# Altium PCB CRD25DA12N-FMC V2 (09-2024).PcbDoc (part 2 of 6)
Units mil, origin at the board's own origin, x right, y up, seen from the top; angles counter-clockwise.
Board outline 8000 x 8000 mil, 6 copper layers (Top Layer, Layer 2, Layer 3, Layer 4, Layer 5, Bottom Layer), stack 91 mil thick; 602 components, 333 nets, 1670 pads, 639 vias.
Unrouted connection lines stored in the file: 1.
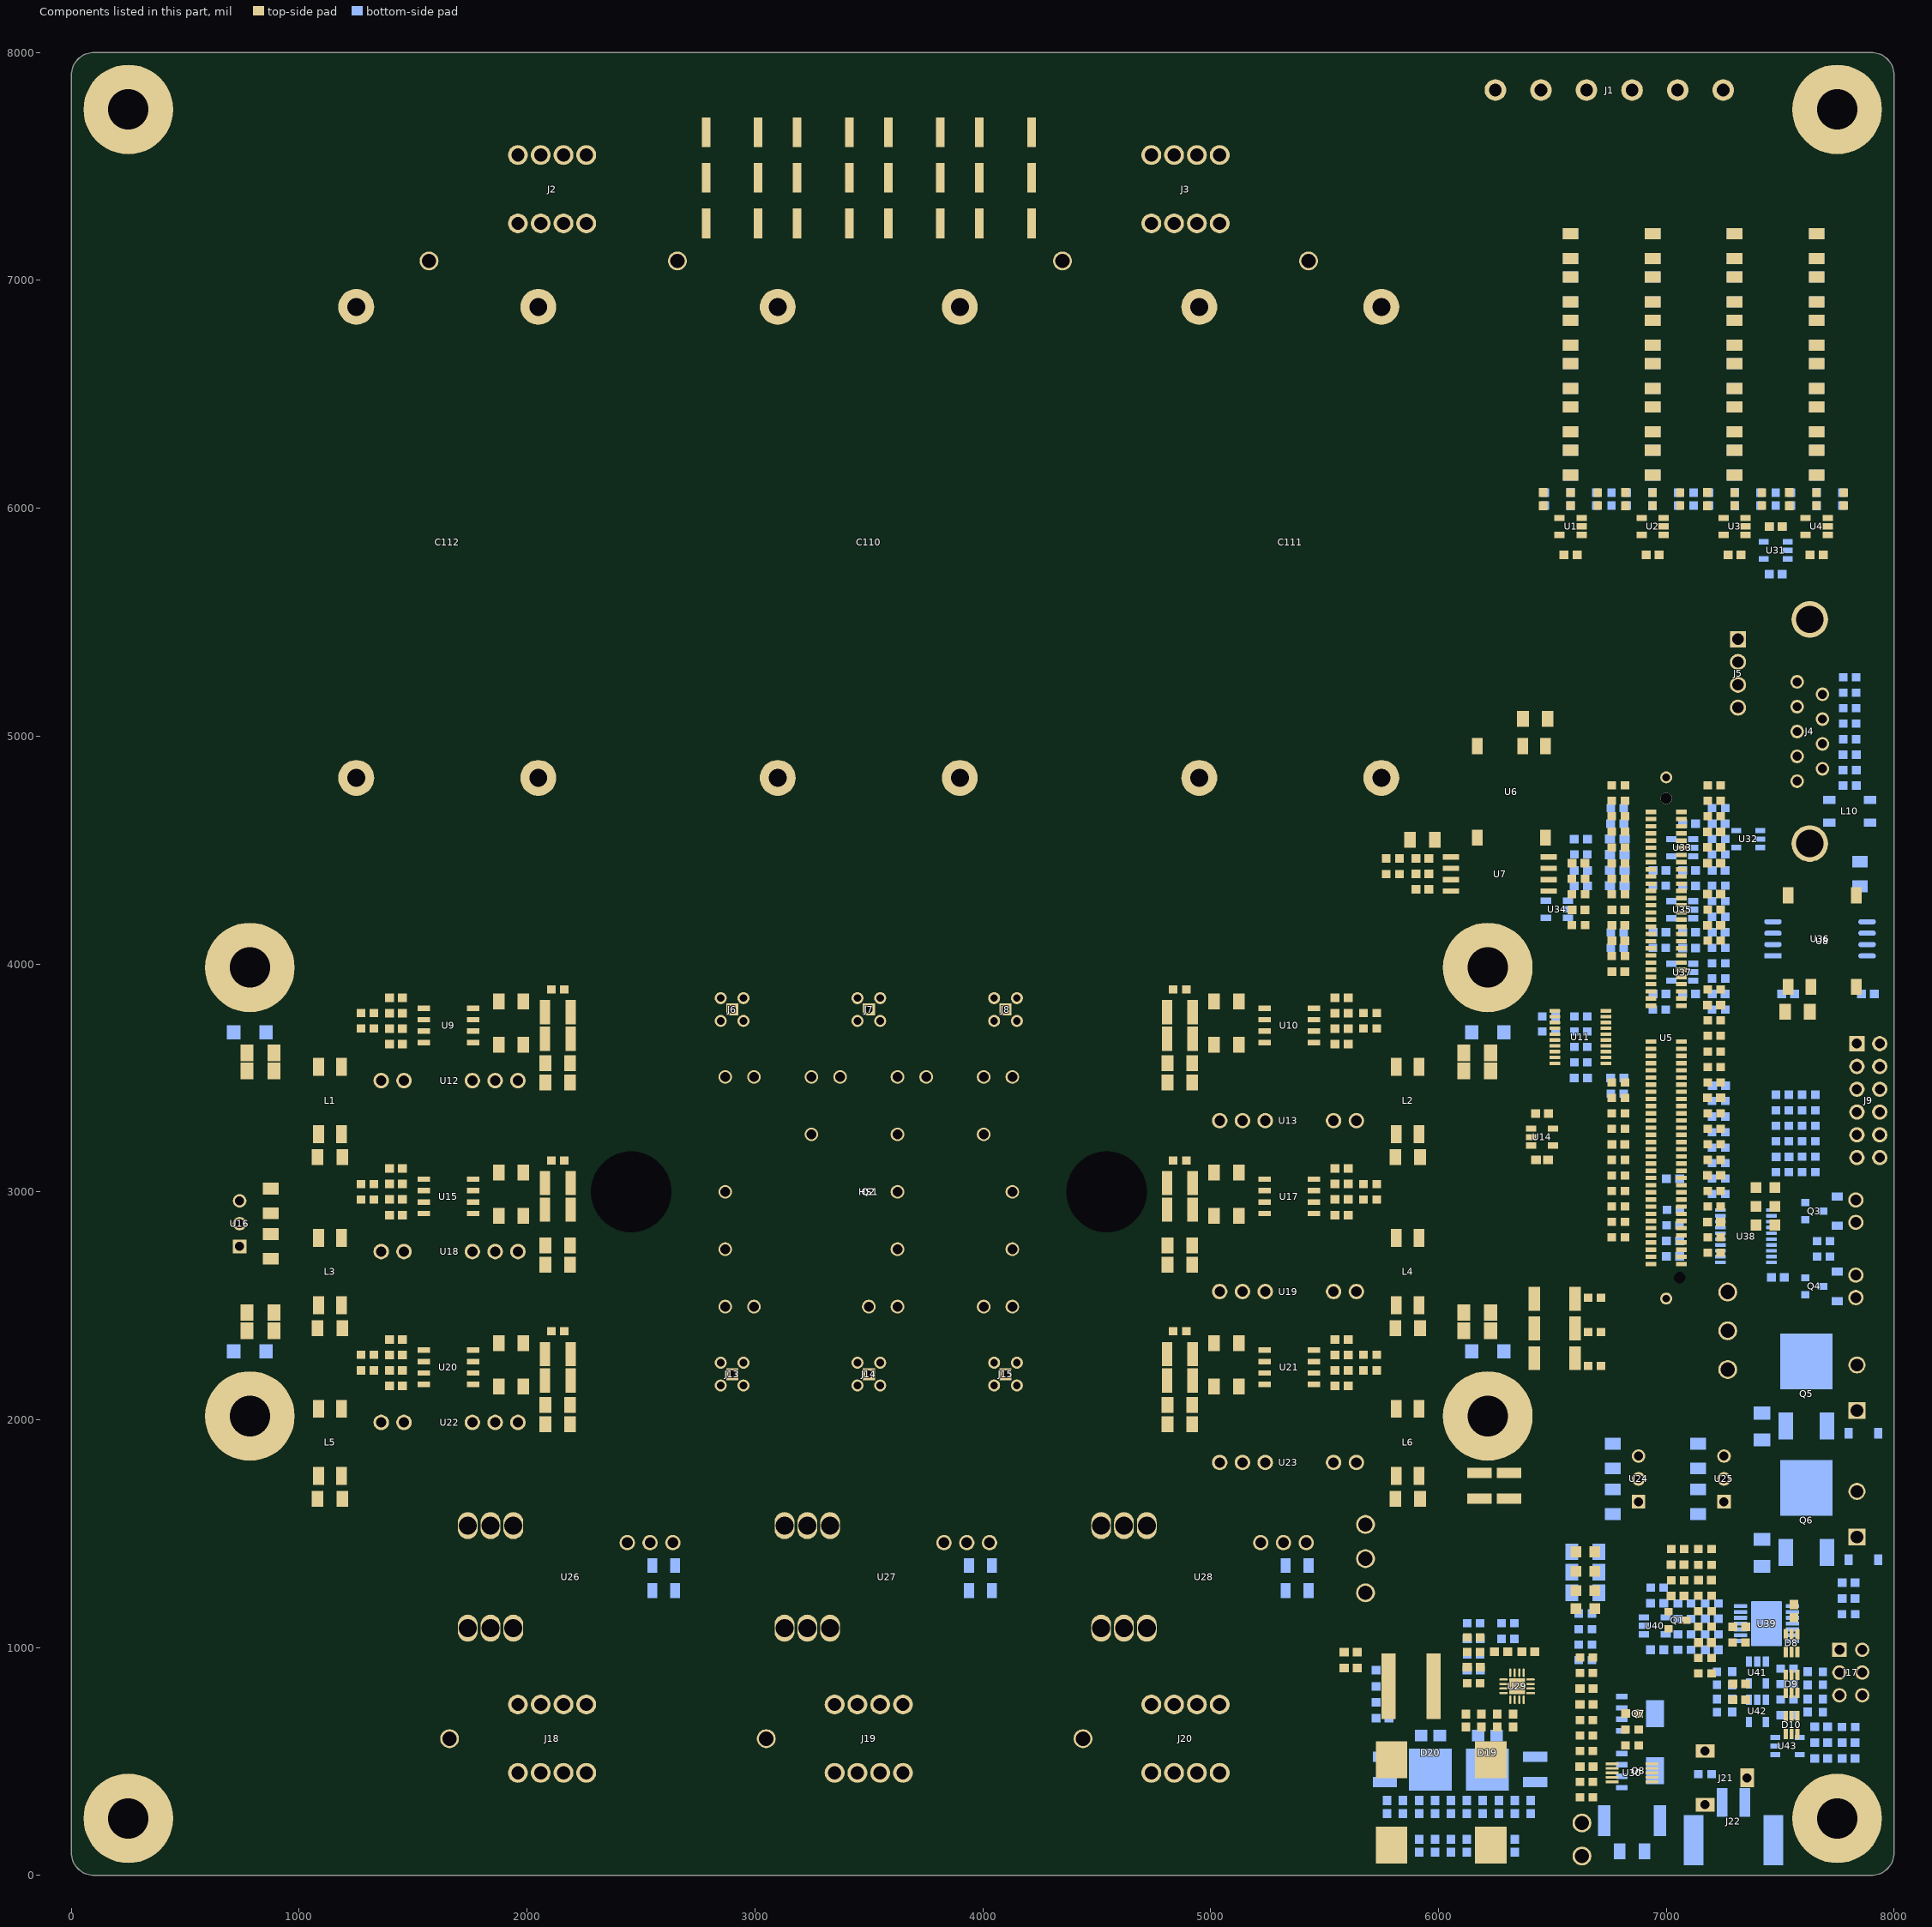
[diagram p6: the components of this part, seen from the top]

## Components (designator, comment, footprint, x,y, rotation, side; value= is the part's Value field where it differs from the comment) (continued)
R196 "RC0603JR-07120RL" FP-MCR03-IPC_B 7805,4986 r0 bottom value=120Ω
R197 "ERJ3EKF1002V" FP-MCR03-IPC_B 7230,4684 r180 bottom value=10kΩ
R198 "ERJ3EKF1002V" FP-MCR03-IPC_B 6785,4684 r0 bottom value=10kΩ
R199 "RT0603DRD071K4L" FP-MCR03-IPC_B 7230,4548 r180 bottom value=1.4kΩ
R200 "RMCF0603FT7K15" FP-MCR03-IPC_B 7230,4480 r180 bottom value=7.15kΩ
R201 "ERA3AEB4021V" FP-MCR03-IPC_B 6625,4480 r0 bottom value=4.02kΩ
R202 "ERA3AEB4021V" FP-MCR03-IPC_B 7230,4343 r0 bottom value=4.02kΩ
R203 "RC0603FR-077K87L" FP-MCR03-IPC_B 6970,4343 r0 bottom value=7.87kΩ
R204 "RT0603DRD071K4L" FP-MCR03-IPC_B 7230,4275 r180 bottom value=1.4kΩ
R205 "RMCF0603FT7K15" FP-MCR03-IPC_B 7230,4207 r180 bottom value=7.15kΩ
R206 "ERJ-3EKF49R9V" FP-MCR03-IPC_B 6785,4139 r0 bottom value=49.9Ω
R207 "ERA3AEB4021V" FP-MCR03-IPC_B 7230,4070 r0 bottom value=4.02kΩ
R208 "RC0603FR-077K87L" FP-MCR03-IPC_B 6970,4070 r0 bottom value=7.87kΩ
R209 "ERJ-3EKF49R9V" FP-MCR03-IPC_B 6785,4070 r0 bottom value=49.9Ω
R210 "RT0603DRD071K4L" FP-MCR03-IPC_B 7230,4003 r180 bottom value=1.4kΩ
R211 "RMCF0603FT7K15" FP-MCR03-IPC_B 7230,3936 r180 bottom value=7.15kΩ
R212 "ERA3AEB4021V" FP-MCR03-IPC_B 7230,3800 r0 bottom value=4.02kΩ
R213 "RC0603FR-077K87L" FP-MCR03-IPC_B 6970,3800 r0 bottom value=7.87kΩ
R214 "RC0603FR-07100KL" FP-MCR03-IPC_B 6625,3770 r180 bottom value=100kΩ
R215 "RC0603FR-07100KL" FP-MCR03-IPC_B 6485,3770 r180 bottom value=100kΩ
R216 "RC0603FR-07100KL" FP-MCR03-IPC_B 6625,3703 r180 bottom value=100kΩ
R217 "RC0603FR-07100KL" FP-MCR03-IPC_B 6485,3703 r180 bottom value=100kΩ
R218 "RC0603FR-07100KL" FP-MCR03-IPC_B 6625,3636 r180 bottom value=100kΩ
R219 "RC0603FR-07100KL" FP-MCR03-IPC_B 6625,3568 r180 bottom value=100kΩ
R220 "ERJ3EKF1002V" FP-MCR03-IPC_B 6785,3430 r180 bottom value=10kΩ
R221 "RC0603FR-13330RL" FP-MCR03-IPC_B 7625,3426 r180 bottom value=330Ω
R222 "RC0603FR-13330RL" FP-MCR03-IPC_B 7510,3426 r180 bottom value=330Ω
R223 "ERJ3EKF1002V" FP-MCR03-IPC_B 7230,3398 r180 bottom value=10kΩ
R224 "RC0603FR-13330RL" FP-MCR03-IPC_B 7625,3358 r180 bottom value=330Ω
R225 "RC0603FR-13330RL" FP-MCR03-IPC_B 7510,3358 r180 bottom value=330Ω
R226 "CRCW06030000Z0EB" FP-MCR03-IPC_B 7230,3330 r180 bottom value=0Ω
R227 "CRCW06030000Z0EB" FP-MCR03-IPC_B 7625,3290 r180 bottom value=0Ω
R228 "ERJ3EKF1002V" FP-MCR03-IPC_B 7510,3290 r0 bottom value=10kΩ
R229 "CRCW06030000Z0EB" FP-MCR03-IPC_B 7230,3262 r180 bottom value=0Ω
R230 "RC0603FR-13330RL" FP-MCR03-IPC_B 7625,3222 r180 bottom value=330Ω
R231 "RC0603FR-13330RL" FP-MCR03-IPC_B 7510,3222 r180 bottom value=330Ω
R232 "CRCW06030000Z0EB" FP-MCR03-IPC_B 7230,3194 r180 bottom value=0Ω
R233 "CRCW06030000Z0EB" FP-MCR03-IPC_B 7625,3154 r180 bottom value=0Ω
R234 "CRCW06030000Z0EB" FP-MCR03-IPC_B 7230,3126 r180 bottom value=0Ω
R235 "ERJ3EKF1002V" FP-MCR03-IPC_B 7625,3086 r0 bottom value=10kΩ
R236 "ERJ3EKF1002V" FP-MCR03-IPC_B 7510,3086 r0 bottom value=10kΩ
R237 "CRCW06030000Z0EB" FP-MCR03-IPC_B 7230,3058 r180 bottom value=0Ω
R238 "CRCW06030000Z0EB" FP-MCR03-IPC_B 7230,2990 r180 bottom value=0Ω
R239 "CRCW060320K0FKTA" FP-MCR03-IPC_B 7031.38,2920 r180 bottom value=20kΩ
R240 "CRCW060320K0FKTA" FP-MCR03-IPC_B 7030,2853 r180 bottom value=20kΩ
R241 "ERJ-3EKF49R9V" FP-MCR03-IPC_B 7690,2784 r0 bottom value=49.9Ω
R242 "ERJ-3EKF49R9V" FP-MCR03-IPC_B 7690,2716 r0 bottom value=49.9Ω
R243 "RC1206FR-07249RL" FP-MCR18-IPC_A 7420,1970 r270 bottom value=249Ω
R244 "RC1206FR-07249RL" FP-MCR18-IPC_A 7420,1415 r270 bottom value=249Ω
R245 "RC1206FR-07249RL" FP-MCR18-IPC_A 6645,1420 r0 bottom value=249Ω
R246 "RC1206FR-07249RL" FP-MCR18-IPC_A 6645,1330 r180 bottom value=249Ω
R247 "ERJ3EKF3901V" FP-MCR03-IPC_B 6960,1263 r0 bottom value=3.9kΩ
R248 "RC1206FR-07249RL" FP-MCR18-IPC_A 6645,1240 r0 bottom value=249Ω
R249 "RC0603FR-07470KL" FP-MCR03-IPC_B 7200,1194 r180 bottom value=470kΩ
R250 "ERA-3AED153V" FP-MCR03-IPC_B 7080,1194 r0 bottom value=15kΩ
R251 "CRCW06034K70FKTA" FP-MCR03-IPC_B 6645,1149 r180 bottom value=4.7kΩ
R252 "ERJ3EKF1002V" FP-MCR03-IPC_B 7800,1146 r180 bottom value=10kΩ
R253 "ERJ3EKF3901V" FP-MCR03-IPC_B 7080,1126 r180 bottom value=3.9kΩ
R254 "RT0603DRE0722K6L" FP-MCR03-IPC_B 6305,1106 r0 bottom value=22.6kΩ
R255 "RT0603DRE072KL" FP-MCR03-IPC_B 6155,1106 r180 bottom value=2kΩ
R256 "CRCW06034K70FKTA" FP-MCR03-IPC_B 6645,1081 r180 bottom value=4.7kΩ
R257 "ERA-3AED153V" FP-MCR03-IPC_B 7200,1058 r180 bottom value=15kΩ
R258 "ERJ3EKF1002V" FP-MCR03-IPC_B 7080,1058 r0 bottom value=10kΩ
R259 "RT0603DRE0734K8L" FP-MCR03-IPC_B 6305,1038 r180 bottom value=34.8kΩ
R260 "CRCW06034K70FKTA" FP-MCR03-IPC_B 6645,1013 r0 bottom value=4.7kΩ
R261 "ERJ3EKF1002V" FP-MCR03-IPC_B 7080,990 r180 bottom value=10kΩ
R262 "RT0603BRD075K36L" FP-MCR03-IPC_B 6155,970 r0 bottom value=5.36kΩ
R263 "CRCW06034K70FKTA" FP-MCR03-IPC_B 6645,945 r0 bottom value=4.7kΩ
R264 "ERJ-PB3B1212V" FP-MCR03-IPC_B 7530,907 r180 bottom value=12.1kΩ
R265 "RC0603FR-0747KL" FP-MCR03-IPC_B 7688,865 r270 bottom value=47kΩ
R266 "ERJ3EKF1002V" FP-MCR03-IPC_B 7222,865 r270 bottom value=10kΩ
R267 "ERJ-PB3B1212V" FP-MCR03-IPC_B 7530,839 r180 bottom value=12.1kΩ
R268 "ERJ-PB3B1212V" FP-MCR03-IPC_B 7530,771 r180 bottom value=12.1kΩ
R269 "RC0603FR-0747KL" FP-MCR03-IPC_B 7688,745 r90 bottom value=47kΩ
R270 "ERJ3EKF1002V" FP-MCR03-IPC_B 7222,745 r270 bottom value=10kΩ
R271 "ERJ-PB3B1212V" FP-MCR03-IPC_B 7530,703 r180 bottom value=12.1kΩ
R272 "ERJ3EKF1002V" FP-MCR03-IPC_B 7800,652 r0 bottom value=10kΩ
R273 "CRCW121010R0FKEAHP" RESC3125X70X40NL20T20 6425,465 r270 bottom value=10Ω
R274 "CRCW121010R0FKEAHP" RESC3125X70X40NL20T20 5765,465 r270 bottom value=10Ω
R275 "RC0603FR-07100KL" FP-MCR03-IPC_B 7170,445 r0 bottom value=100kΩ
R276 "PE2512FKE7W0R01L" FP-RL2512-IPC_A 6850,240 r180 bottom value=10mΩ
TP1 "5010" KSTN-5010_V 1570,7085 r0 top value=RED
TP2 "5010" KSTN-5010_V 2660,7085 r0 top value=RED
TP3 "5011" KSTN-5011_V 4350,7085 r0 top value=BLACK
TP4 "5011" KSTN-5011_V 5430,7085 r0 top value=BLACK
TP5 "5010" KSTN-5010_V 7270,2560 r0 top value=RED
TP6 "5010" KSTN-5010_V 7270,2390 r0 top value=RED
TP7 "5011" KSTN-5011_V 7270,2220 r0 top value=BLACK
TP8 "5010" KSTN-5010_V 5680,1540 r0 top value=RED
TP9 "5010" KSTN-5010_V 5680,1390 r0 top value=RED
TP10 "5011" KSTN-5011_V 5680,1240 r0 top value=BLACK
TP11 "5012" KSTN-5012_V 1660,600 r0 top value=WHITE
TP12 "5012" KSTN-5012_V 3050,600 r0 top value=WHITE
TP13 "5012" KSTN-5012_V 4440,600 r0 top value=WHITE
TP14 "5010" KSTN-5010_V 6630,230 r0 top value=RED
TP15 "5011" KSTN-5011_V 6630,85 r0 top value=BLACK
U1 "AD8615AUJZ-REEL7" ADI-UJ-5_M 6580,5920 r180 top value=N/A
U2 "AD8615AUJZ-REEL7" ADI-UJ-5_M 6940,5920 r180 top value=N/A
U3 "AD8615AUJZ-REEL7" ADI-UJ-5_M 7300,5920 r180 top value=N/A
U4 "AD8615AUJZ-REEL7" ADI-UJ-5_M 7660,5920 r180 top value=N/A
U5 "TMDSCNCD280039C" TMDSCNCD280039C 7000,3675 r90 top locked value=N/A
U6 "R1SE-3.305/H2-R" FP-R1SE-0505-R-MFG 6320,4755 r270 top value=N/A
U7 "AMC1311BDWV" FP-DWV0008A-MFG 6270,4395 r0 top value=N/A
U8 "R1SE-3.305/H2-R" FP-R1SE-0505-R-MFG 7685,4100 r90 top value=N/A
U9 "UCC5350SBD" D0008B_HV 1655,3730 r0 top value=N/A
U10 "UCC5350SBD" D0008B_HV 5345,3730 r180 top value=N/A
U11 "SN74LV541ATPWR" PW0020A_L 6622.8,3678.98 r180 top value=N/A
U12 "MGJ2D121503SC" MGJ2D121509SC 1660,3400 r0 top value=N/A
U13 "MGJ2D121503SC" MGJ2D121509SC 5340,3400 r180 top value=N/A
U14 "MCP6271RT-E/OT" ADI-UJ-5_M 6455,3240 r0 top value=N/A
U15 "UCC5350SBD" D0008B_HV 1655,2980 r0 top value=N/A
U16 "R-78E5.0-1.0" CONV_R-78E5.0-1.0 650,2860 r90 top value=N/A
U17 "UCC5350SBD" D0008B_HV 5345,2980 r180 top value=N/A
U18 "MGJ2D121503SC" MGJ2D121509SC 1660,2650 r0 top value=N/A
U19 "MGJ2D121503SC" MGJ2D121509SC 5340,2650 r180 top value=N/A
U20 "UCC5350SBD" D0008B_HV 1655,2230 r0 top value=N/A
U21 "UCC5350SBD" D0008B_HV 5345,2230 r180 top value=N/A
U22 "MGJ2D121503SC" MGJ2D121509SC 1660,1900 r0 top value=N/A
U23 "MGJ2D121503SC" MGJ2D121509SC 5340,1900 r180 top value=N/A
U24 "R-78E3.3-1.0" CONV_R-78E3.3-1.0 6790,1740 r90 top value=N/A
U25 "R-78E5.0-1.0" CONV_R-78E5.0-1.0 7165,1740 r90 top value=N/A
U26 "LAH 50-P" "LAH 50-P" 2110,1300 r90 top locked value=N/A
U27 "LAH 50-P" "LAH 50-P" 3500,1300 r90 top locked value=N/A
U28 "LAH 50-P" "LAH 50-P" 4890,1300 r90 top locked value=N/A
U29 "LM5157QRTERQ1" FP-RTE0016K-IPC_A 6345,830 r180 top value=N/A
U30 "LTC4368IMS-2#PBF" SOP50P490X110-10N 6850,450 r0 top value=N/A
U31 "REF2033QDDCRQ1" FP-DDC0005A-MFG 7480,5815 r180 bottom value=N/A
U32 "REF2033QDDCRQ1" FP-DDC0005A-MFG 7360,4548 r180 bottom value=N/A
U33 "AD8615AUJZ-REEL7" ADI-UJ-5_M 7070,4510 r180 bottom value=N/A
U34 "MCP6271RT-E/OT" ADI-UJ-5_M 6520,4240 r180 bottom value=N/A
U35 "AD8615AUJZ-REEL7" ADI-UJ-5_M 7070,4238 r180 bottom value=N/A
U36 "ISO1042BQDWVRQ1" FP-DWV0008A-IPC_B 7675,4110 r0 bottom value=N/A
U37 "AD8615AUJZ-REEL7" ADI-UJ-5_M 7070,3964 r180 bottom value=N/A
U38 "SN74LV541ATPWR" PW0020A_L 7350,2805 r0 bottom value=N/A
U39 "ALM2402FQPWPRQ1" FP-PWP0014H-MFG 7440,1105 r0 bottom value=N/A
U40 "AD8615AUJZ-REEL7" ADI-UJ-5_M 6950,1095 r0 bottom value=N/A
U41 "AD8615AUJZ-REEL7" ADI-UJ-5_M 7400,890 r270 bottom value=N/A
U42 "AD8615AUJZ-REEL7" ADI-UJ-5_M 7400,721.77 r270 bottom value=N/A
U43 "REF2033QDDCRQ1" FP-DDC0005A-MFG 7531.85,567.6 r0 bottom value=N/A

## Footprints (in the part's own frame and the unit in brackets; to place one, negate y for a bottom-side part, rotate by r counter-clockwise, add the part's x,y. Pads: shape width x height; smd on the part's side, far side on the other; paste and mask are expansions set on the pad)
1755736 [mm] "THD, 2-Leads, Body 12.16x8.6mm, Pitch 5.08mm"
  rect 1.9x1.9 hole 1.4: 1(-2.54,0)
  round 1.9 hole 1.4: 2(2.54,0)
  silkscreen extent -6.08,-3.81 6.08,4.79, body extent -6.08,-3.8 6.16,4.87, height 12
1755778 [mm] "TERM BLOCK HDR 6POS VERT 5.08MM"
  round 2.4 hole 1.4: 1(-12.7,0) 2(-7.62,0) 3(-2.54,0) 4(2.54,0) 5(7.62,0) 6(12.7,0)
  silkscreen extent -16.24,-3.83 16.24,3.84, body extent -16.24,-3.84 16.24,4.76, height 12
1808190 [mm]
  rect 1.2x3.2 smd: 1(-1.25,4.2) 2(1.25,4.2)
  rect 2.2x5.6 smd: 3(-4.45,0) 4(4.45,0)
  silkscreen extent -3.5,-3.7 3.5,3.5, body extent -5.4,-4 5.2,5.5, height 5
7460307 [mm] "8 Pin Screw Terminal, Power Tap M4 Through Hole"
  round 2.21 hole 1.475: 1(-3.81,3.81) 2(-1.27,3.81) 3(1.27,3.81) 4(3.81,3.81) 5(3.81,-3.81) 6(1.27,-3.81) 7(-1.27,-3.81) 8(-3.81,-3.81)
  Top Layer keep-out region: -8.5,-8.5 8.5,-8.5 8.5,8.5 -8.5,8.5
  Bottom Layer keep-out region: -8.5,-8.5 8.5,-8.5 8.5,8.5 -8.5,8.5
  silkscreen extent -5.2,-5.2 5.2,5.2, body extent -4.5,-4.5 4.5,4.5, height 7
61200621621 [mm] "6 pins, straight, gold plating"
  rect 1.6x1.6 hole 1.1: 1(-2.54,-1.27)
  round 1.6 hole 1.1: 2(-2.54,1.27) 3(0,-1.27) 4(0,1.27) 5(2.54,-1.27) 6(2.54,1.27)
  silkscreen extent -7.74,-4.5 7.74,4.5, body extent -7.64,-4.43 7.64,4.75, height 9.13
74437368220 [mm]
  rect 4.1x3.5 smd: 1(-4.75,0) 2(4.75,0)
  Top Layer keep-out region: -2.7,-5 2.7,-5 2.7,5 -2.7,5
  silkscreen extent -5.5,-5.5 5.5,5.5, body extent -5.5,-5 5.5,5, height 3.7
ADI-UJ-5_M [mm] "SOT23, 5-Leads, Body 2.9x1.6mm, Pitch 0.95mm, IPC Low Density"
  rect 1.15x0.7 smd: 1(-1.225,0.95) 2(-1.225,0) 3(-1.225,-0.95) 4(1.225,-0.95) 5(1.225,0.95)
  silkscreen extent -1.35,-1.45 0.25,1.97, body extent -0.8,-1.45 0.8,1.45, height 1
C4AQQEW5650A3BJ [mm] "CAP FILM 65UF 5% 1.1KVDC RAD"
  round 4 hole 2: 1(-26.25,10.15) 2(-26.25,-10.15) 3(26.25,10.15) 4(26.25,-10.15)
  silkscreen extent -28.75,-22.5 28.75,22.5, body extent -29,-22.71 29.3,22.8, height 65.4
CONN_1881558 [mil]
  round 67 / inner round 60 / far side round 67 hole 47 paste-99999 mask+0: 1(-49.21,0) 2(49.21,0)
  silkscreen extent -141,-159 141,170, body extent -136,-154 136,165, height 398
CONV_R-78E3.3-1.0 [mm]
  rect 1.508x1.508 hole 1: 1(-2.54,-2.25)
  round 1.508 hole 1: 2(0,-2.25) 3(2.54,-2.25)
  silkscreen extent -6.5,-4.25 5.75,4.25, body extent -5.8,-4.25 5.8,4.25, height 9.9
CONV_R-78E5.0-1.0 [mm]
  rect 1.508x1.508 hole 1: 1(-2.54,-2.25)
  round 1.508 hole 1: 2(0,-2.25) 3(2.54,-2.25)
  silkscreen extent -6.5,-4.25 5.75,4.25, body extent -5.8,-4.25 5.8,4.25, height 9.9
CUI-PJ-102B_V [mm] "THD, 3-Leads, Body 14.4x9mm, Height 11mm"
  rect 1.5x2.1 hole 1 slot 1.6 at 90 deg: 1(-3,0) 2(3,0)
  rect 2.1x1.5 hole 1 slot 1.6 at 0 deg: 3(0,4.7)
  silkscreen extent -4.42,-4.5 10.7,4.9, body extent -3.7,-4.5 10.7,4.9, height 11
D0008B_HV [mm]
  rect 1.4x0.6 smd paste+0 mask+0: 1(-2.75,1.905) 2(-2.75,0.635) 3(-2.75,-0.635) 4(-2.75,-1.905) 5(2.75,-1.905) 6(2.75,-0.635) 7(2.75,0.635) 8(2.75,1.905)
  silkscreen extent -3.3,-2.5 0.9,3.35, body extent -3.01,-2.45 3.01,2.45, height 1.63
FM3_SIX-PACK_3PHASE_CRW [mm]
  round 1.524 hole 1.1: DC+_1(-6.4,-6.4) DC+_2(3.2,-6.4) DC+_3(12.8,-6.4) DC-1(-16,0) DC-2(3.2,0) DC-3(16,0) G1(-12.8,-12.8) G2(-16,12.8) G3(-3.2,-12.8) G4(3.2,12.8) G5(6.4,-12.8) G6(16,12.8) NTC1(12.8,-12.8) NTC2(16,-12.8) S1(-16,-12.8) S2(-12.8,12.8) S3(-6.4,-12.8) S4(0,12.8) S5(3.2,-12.8) S6(12.8,12.8) U(-16,6.4) V(3.2,6.4) W(16,6.4)
  round 0 hole 9 unplated: MH1(-26.5,0) MH2(26.5,0)
  Bottom Layer keep-out circle w6.2: c16,12.8 r2
  Bottom Layer keep-out circle w6.2: c-16,12.8 r2
  Bottom Layer keep-out circle w6.2: c-12.8,12.8 r2
  Bottom Layer keep-out circle w6.2: c0,12.8 r2
  Bottom Layer keep-out circle w6.2: c12.8,12.8 r2
  Bottom Layer keep-out circle w6.2: c3.2,12.8 r2
  Bottom Layer keep-out circle w6.2: c16,-12.8 r2
  Bottom Layer keep-out circle w6.2: c12.8,-12.8 r2
  Bottom Layer keep-out circle w6.2: c6.4,-12.8 r2
  Bottom Layer keep-out circle w6.2: c3.2,-12.8 r2
  Bottom Layer keep-out circle w6.2: c-3.2,-12.8 r2
  Bottom Layer keep-out circle w6.2: c-6.4,-12.8 r2
  Bottom Layer keep-out circle w6.2: c-12.8,-12.8 r2
  Bottom Layer keep-out circle w6.2: c-16,-12.8 r2
  Bottom Layer keep-out circle w6.2: c-16,6.4 r2
  Bottom Layer keep-out circle w6.2: c-16,0 r2
  Bottom Layer keep-out circle w6.2: c-6.4,-6.4 r2
  Bottom Layer keep-out circle w6.2: c3.2,-6.4 r2
  Bottom Layer keep-out circle w6.2: c12.8,-6.4 r2
  Bottom Layer keep-out circle w6.2: c16,0 r2
  Bottom Layer keep-out circle w6.2: c16,6.4 r2
  Bottom Layer keep-out circle w6.2: c3.2,6.4 r2
  Bottom Layer keep-out circle w6.2: c3.2,0 r2
  silkscreen extent -31.52,-16.88 31.52,16.88, body extent -31.4,-16.9 31.4,16.9, height 11.98
FP-73415-1471-MFG [mm]
  rect 1.34x1.34 hole 0.84 paste-2539.97 mask+0: 1(0.01,0)
  round 1.34 hole 0.84 paste-2539.97 mask+0: 2(-1.27,1.27) 3(1.27,1.27) 4(-1.27,-1.27) 5(1.27,-1.27)
  silkscreen extent -2.54,-1.82 1.82,1.82, body extent -2.04,-2.04 2.04,2.04, height 0.25
FP-61301221121-MFG [mm]
  rect 1.7x1.7 hole 1.1 paste-2539.97 mask+0: 1(-6.35,-1.27)
  round 1.7 hole 1.1 paste-2539.97 mask+0: 2(-6.35,1.27) 3(-3.81,-1.27) 4(-3.81,1.27) 5(-1.27,-1.27) 6(-1.27,1.27) 7(1.27,-1.27) 8(1.27,1.27) 9(3.81,-1.27) 10(3.81,1.27) 11(6.35,-1.27) 12(6.35,1.27)
  silkscreen extent -8.38,-2.62 7.77,2.62, body extent -7.87,-2.72 7.87,2.72, height 0.25
FP-APTR3216SECK-MFG [mm]
  rect 1.5x1.6 smd paste+0 mask+0: 1(-1.8,0) 2(1.8,0)
  silkscreen extent -3.3,-1.4 1.9,1.4, body extent -1.6,-0.8 1.6,0.8, height 1.1
FP-C0603C-CF-IPC_B [mil]
  rect 39.63x37.73 smd paste+0 mask+0: 1(-28.58,0) 2(28.58,0)
  silkscreen extent -48,-35 48,35, body extent -31,-16 31,16, height 34
FP-CL31-IPC_B [mil]
  rect 51.4x69.22 smd paste+0 mask+0: 1(-54.19,0) 2(54.19,0)
  silkscreen extent -17,-35 17,35, body extent -63,-31 63,31, height 55
FP-CL31-IPC_C [mil]
  rect 43.52x65.28 smd paste+0 mask+0: 1(-50.25,0) 2(50.25,0)
  silkscreen extent -17,-34 17,34, body extent -63,-31 63,31, height 55
FP-CRCW2010-e3-IPC_B [mil]
  rect 51.42x104.65 smd paste+0 mask+0: 1(-89.61,0) 2(89.61,0)
  silkscreen extent -49,-49 49,49, body extent -125,-62 125,62, height 10
FP-CRGP2512-IPC_C [mil]
  rect 37.72x130.17 smd paste+0 mask+0: 1(-114.25,0) 2(114.25,0)
  silkscreen extent -84,-67 84,67, body extent -125,-63 125,63, height 26
FP-DDC0005A-MFG [mm]
  rect 1.1x0.6 smd paste+0 mask+0: 1(-1.35,0.95) 2(-1.35,0) 3(-1.35,-0.95) 4(1.35,-0.95) 5(1.35,0.95)
  silkscreen extent -2.6,-1.53 0.87,1.53, body extent -1.4,-1.45 1.4,1.45, height 1.1
FP-DLW43-0_2-t2_6-e0_6-MFG [mm]
  rect 1.35x0.9 smd paste+0 mask+0: 1(-2.275,-1.25) 2(2.275,-1.25) 3(2.275,1.25) 4(-2.275,1.25)
  silkscreen extent -3.65,-1.7 2.35,1.7, body extent -2.35,-1.7 2.35,1.7, height 2.8
FP-DWV0008A-IPC_B [mil]
  rect 76.93x22.92 smd paste+0 mask+0: 1(-206.71,75)
  rrect100% 76.93x22.92 smd paste+0 mask+0: 2(-206.71,25) 3(-206.71,-25) 4(-206.71,-75) 5(206.71,-75) 6(206.71,-25) 7(206.71,25) 8(206.71,75)
  silkscreen extent -283,-115 149,115, body extent -226,-115 226,115, height 110
FP-DWV0008A-MFG [mm]
  rect 1.8x0.6 smd paste+0 mask+0: 1(-5.45,1.905) 2(-5.45,0.635) 3(-5.45,-0.635) 4(-5.45,-1.905) 5(5.45,-1.905) 6(5.45,-0.635) 7(5.45,0.635) 8(5.45,1.905)
  silkscreen extent -7.2,-2.98 3.8,2.98, body extent -6.45,-3.22 6.45,3.22, height 0.25
FP-GCM188-0_1-IPC_A [mil]
  rect 45.62x39.85 smd paste+0 mask+0: 1(-32.55,0) 2(32.55,0)
  silkscreen extent -55,-36 55,36, body extent -31,-16 31,16, height 35
FP-LTST-C171GKT-MFG [mm]
  rect 1.2x1.2 smd paste+0 mask+0: 1(-1.05,0) 2(1.05,0)
  silkscreen extent -2.37,-1.05 1.05,1.05, body extent -1.75,-0.77 1.75,0.77, height 0.25
FP-LTST-C171GKT-MFG-RED [mm]
  rect 1.2x1.2 smd paste+0 mask+0: 1(-1.05,0) 2(1.05,0)
  silkscreen extent -2.37,-1.05 1.05,1.05, body extent -1,-0.63 1,0.63, height 0.8
FP-LTST-C171GKT-MFG-YELLOW [mm]
  rect 1.2x1.2 smd paste+0 mask+0: 1(-1.05,0) 2(1.05,0)
  silkscreen extent -2.37,-1.05 1.05,1.05, body extent -1,-0.63 1,0.63, height 0.8
FP-MCR03-IPC_B [mil]
  rect 37.72x35.91 smd paste+0 mask+0: 1(-28.62,0) 2(28.62,0)
  silkscreen extent -47,-34 47,34, body extent -31,-16 31,16, height 22
FP-MCR18-IPC_A [mil]
  rect 57.31x73.16 smd paste+0 mask+0: 1(-59.1,0) 2(59.1,0)
  silkscreen extent -19,-37 19,37, body extent -107,-56 107,56, height 10
FP-NCU18-0_15-IPC_B [mil]
  rect 43.55x37.73 smd paste+0 mask+0: 1(-26.62,0) 2(26.62,0)
  silkscreen extent -48,-35 48,35, body extent -58,-29 58,29, height 10
FP-PowerDI5060-8-MFG [mm]
  rect 0.61x1.27 smd paste+0 mask+0: 1(-1.905,-2.67) 2(-0.635,-2.67) 3(0.635,-2.67) 4(1.905,-2.67)
  rect 3x2 smd paste+0 mask+0: 5(0,1.05)
  Top Layer region: 2.05,-1.215 -2.05,-1.215 -2.05,-1.035 -2.805,-1.035 -2.805,-0.435 -2.05,-0.435 -2.05,1.39 -2.805,1.39 -2.805,1.99 -2.05,1.99 -2.05,2.285 -2.21,2.285 -2.21,3.305 -1.6,3.305 -1.6,2.595 -0.94,2.595 -0.94,3.305 -0.33,3.305 -0.33,2.595 0.33,2.595 0.33,3.305 0.94,3.305 0.94,2.595 1.6,2.595 1.6,3.305 2.21,3.305 2.21,2.285 2.05,2.285 2.05,1.99 2.805,1.99 2.805,1.39 2.05,1.39 2.05,-0.435 2.805,-0.435 2.805,-1.035 2.05,-1.035
  silkscreen extent -3.2,-2.73 2.55,-1.59, body extent -2.58,-3.08 2.58,3.08, height 1.15
FP-PSMC_TO-277A-MFG [mm]
  rect 4.8x4.72 smd paste+0 mask+0: 1(0,1.04)
  rect 1.4x1.27 smd paste+0 mask+0: 2(-1.04,-2.765) 3(1.04,-2.765)
  silkscreen extent -2.22,-3.08 2.22,-1.7, body extent -2.3,-3.25 2.3,3.25, height 1.21
FP-PWP0014H-MFG [mm]
  rrect22% 1.5x0.45 smd paste+0 mask+0: 1(-2.9,1.95) 2(-2.9,1.3) 3(-2.9,0.65) 4(-2.9,0) 5(-2.9,-0.65) 6(-2.9,-1.3) 7(-2.9,-1.95) 8(2.9,-1.95) 9(2.9,-1.3) 10(2.9,-0.65) 11(2.9,0) 12(2.9,0.65) 13(2.9,1.3) 14(2.9,1.95)
  rrect3% 3.4x5 smd paste-1000 mask-1000: 15(0,0)
  silkscreen extent -2.25,-2.6 2.25,2.6, body extent -3.2,-2.5 3.2,2.5, height 1.2
FP-R1SE-0505-R-MFG [mm]
  rect 1.8x1.2 smd paste+0 mask+0: 1(-5.1,3.81) 2(-5.1,1.27) 4(-5.1,-3.81) 5(5.1,-3.81) 8(5.1,3.81)
  silkscreen extent -5.35,-6.5 5.35,6.5, body extent -6.1,-6.6 6.1,6.6, height 0.25
FP-RL2512-IPC_A [mil]
  rect 53.47x136.15 smd paste+0 mask+0: 1(-122.13,0) 2(122.13,0)
  silkscreen extent -84,-68 84,68, body extent -123,-63 127,63, height 26
FP-RTE0016K-IPC_A [mm]
  rect 0.949x0.239 smd paste+0 mask+0: 1(-1.505,0.75)
  rrect100% 0.949x0.239 smd paste+0 mask+0: 2(-1.505,0.25) 3(-1.505,-0.25) 4(-1.505,-0.75) 9(1.505,-0.75) 10(1.505,-0.25) 11(1.505,0.25) 12(1.505,0.75)